# Altium PCB GEM_AFE_128.PcbDoc (part 13 of 18)
Units mm, origin at the board's own origin, x right, y up, seen from the top; angles counter-clockwise.
Board outline 112 x 81.5 mm, 8 copper layers (Top Layer, L1, L2, L3, L4, L5, L6, Bottom Layer), stack 1.52 mm thick; 1880 components, 1258 nets, 6287 pads, 2369 vias.
Unrouted connection lines stored in the file: 4.
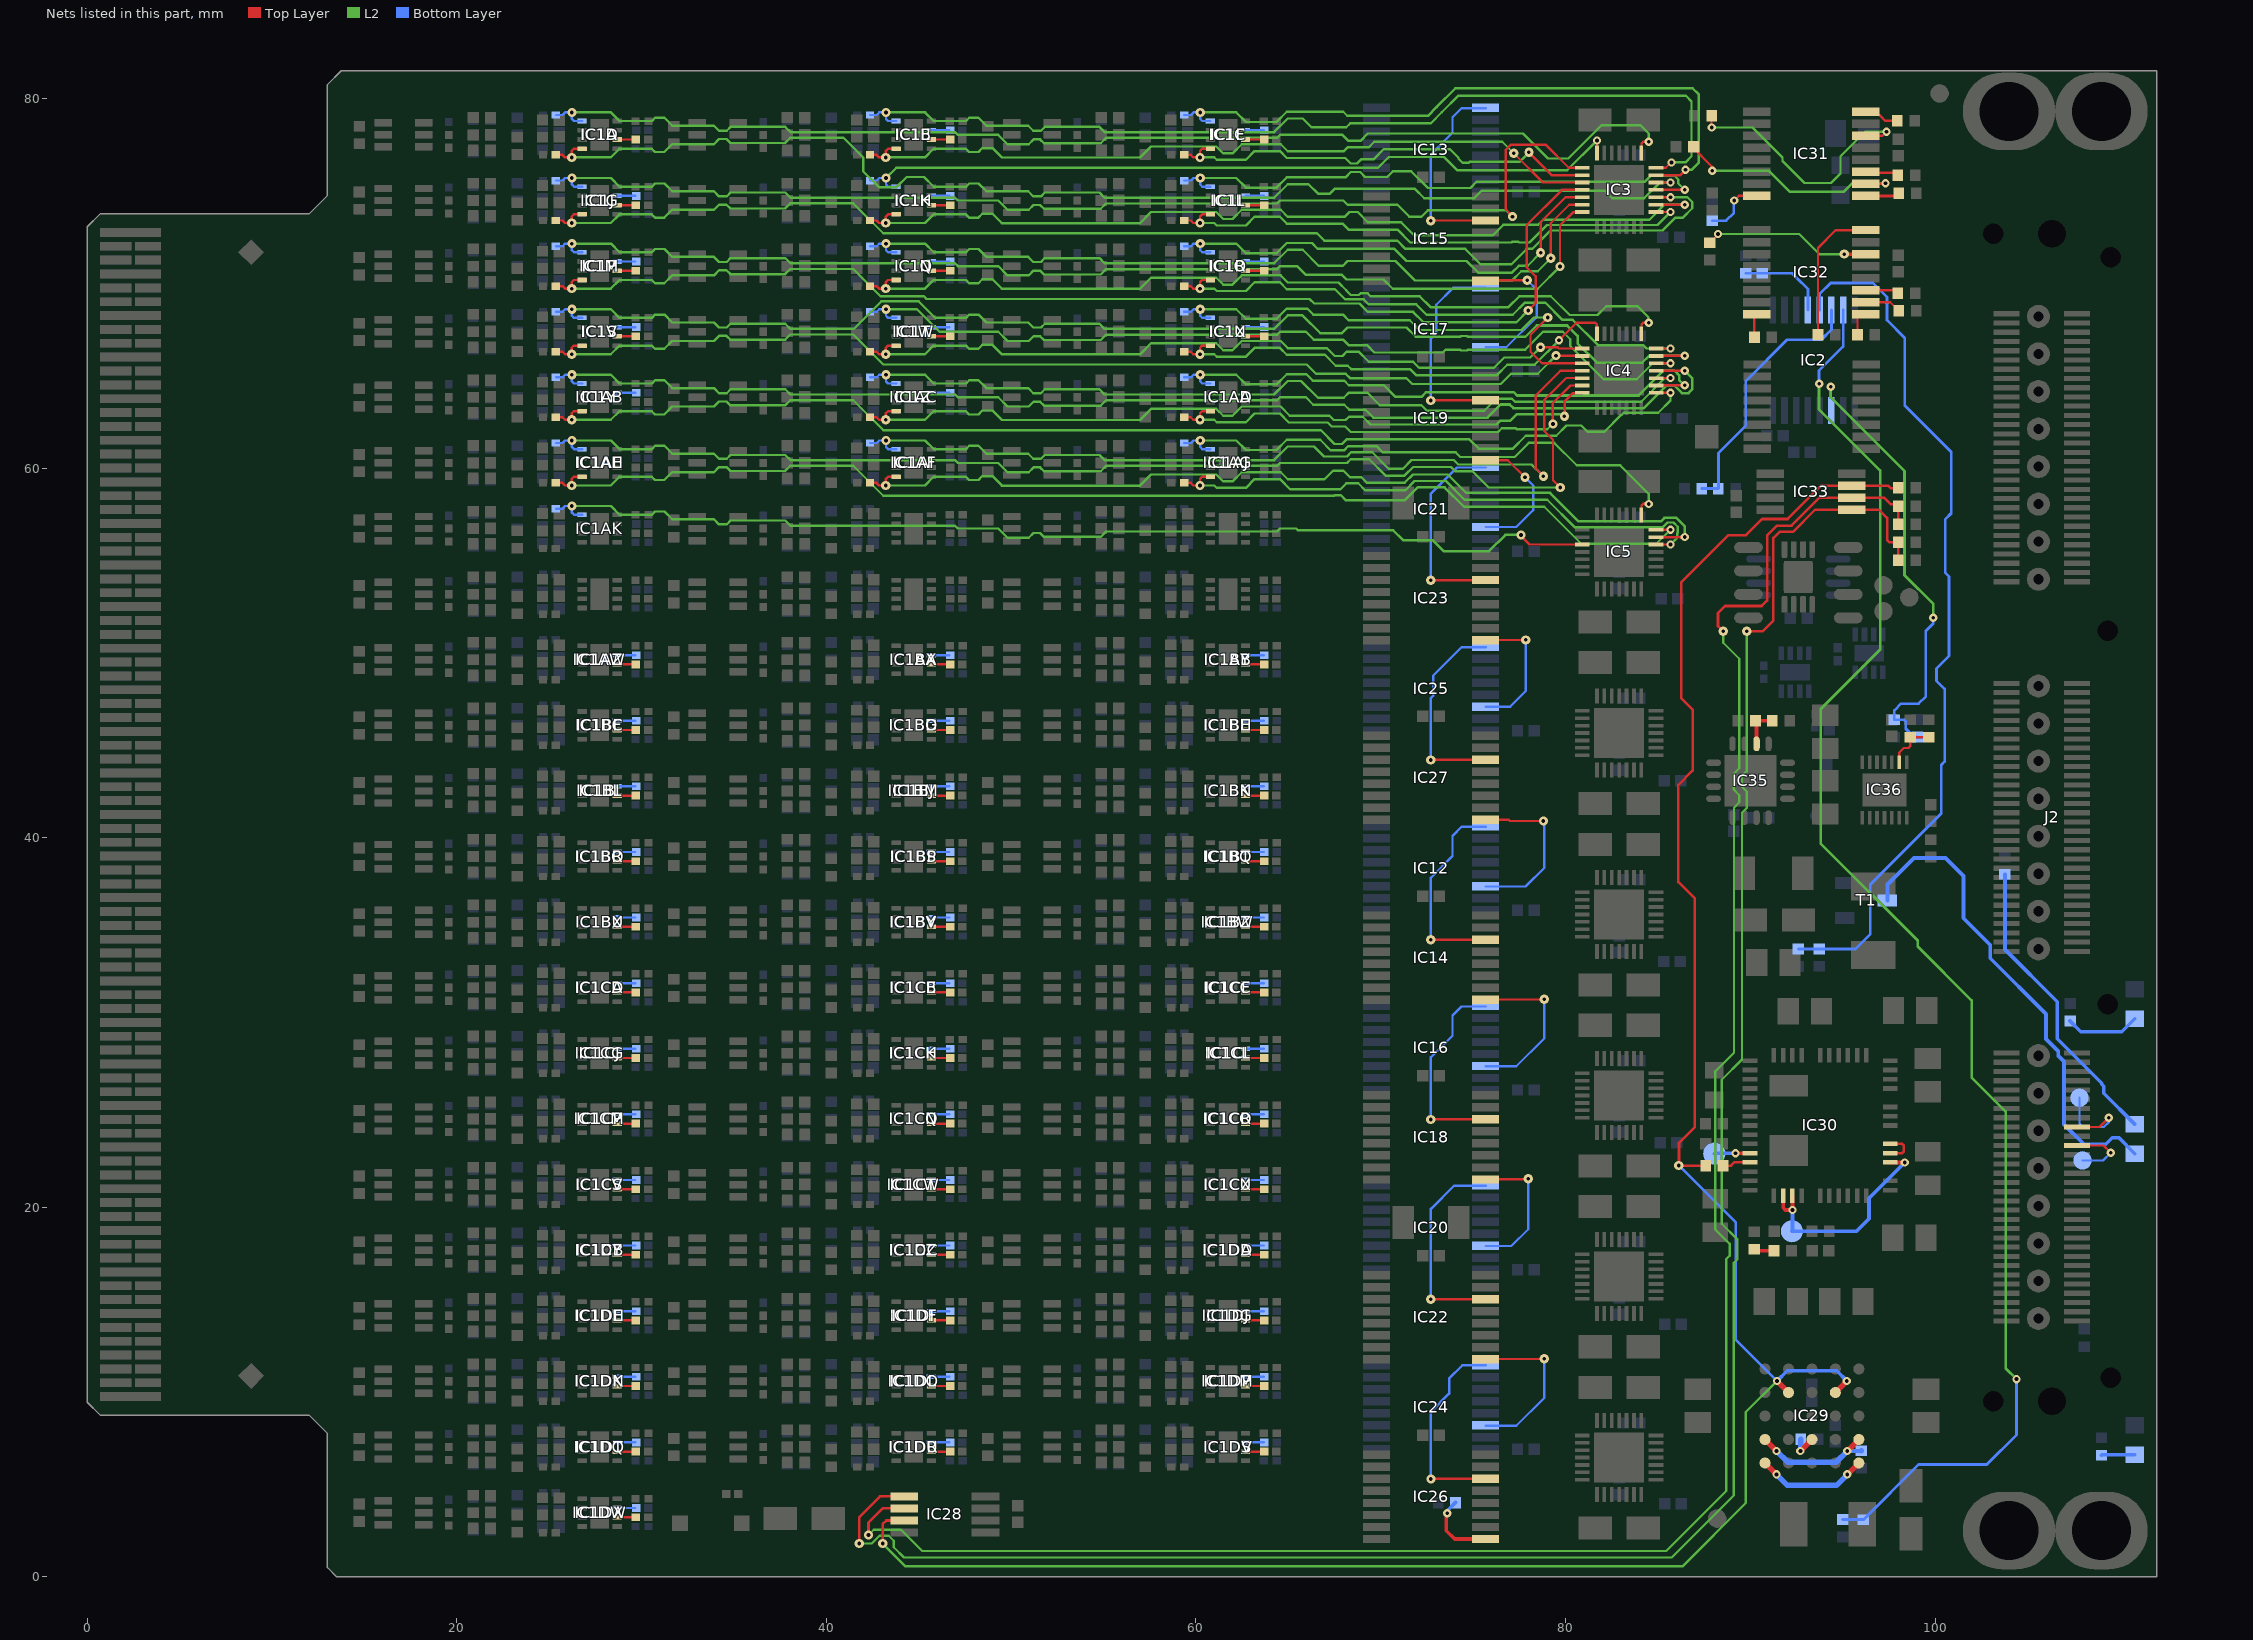
[diagram p19: the nets of this part, all layers, seen from the top]

## Via types
v1: diameter 0.5, hole 0.2, Top Layer to Bottom Layer, tented both sides, 1849 vias
v2: diameter 0.45, hole 0.2, Top Layer to Bottom Layer, tented both sides, 506 vias
v3: diameter 0.45, hole 0.2, Top Layer to Bottom Layer, 14 vias

## Nets (pads, with @x,y where several pads share a name; then routed paths per layer and width w, separated by ;. In a path a pad name is that pad's centre, name@x,y a point inside that pad or via, vN(x,y) a via of type N, cw(c..) or ccw(c..) an arc to the next point about the centre after c; other vN are vias at no path point) (continued)
NetIC1AW_6: IC1AW.6 R6AW.1 | length 1
  Bottom Layer w0.127: IC1AW.6@28.686,49.875 R6AW.1@29.664,49.875
NetIC1AX_6: IC1AX.6 R6AX.1 | length 1
  Bottom Layer w0.127: IC1AX.6@45.686,49.875 R6AX.1@46.664,49.875
NetIC1AY_6: IC1AY.6 R6AY.1 | length 1
  Bottom Layer w0.127: IC1AY.6@62.686,49.875 R6AY.1@63.664,49.875
NetIC1AZ_6: IC1AZ.6 R6AZ.1 | length 1
  Top Layer w0.127: IC1AZ.6@28.675,49.375 R6AZ.1@29.653,49.375
NetIC1B_6: IC1B.6 R6B.1 | length 1
  Bottom Layer w0.127: IC1B.6@45.686,78.275 R6B.1@46.664,78.275
NetIC1BA_6: IC1BA.6 R6BA.1 | length 1
  Top Layer w0.127: IC1BA.6@45.675,49.375 R6BA.1@46.653,49.375
NetIC1BB_6: IC1BB.6 R6BB.1 | length 1
  Top Layer w0.127: IC1BB.6@62.675,49.375 R6BB.1@63.653,49.375
NetIC1BC_6: IC1BC.6 R6BC.1 | length 1
  Bottom Layer w0.127: IC1BC.6@28.686,46.325 R6BC.1@29.664,46.325
NetIC1BD_6: IC1BD.6 R6BD.1 | length 1
  Bottom Layer w0.127: IC1BD.6@45.686,46.325 R6BD.1@46.664,46.325
NetIC1BE_6: IC1BE.6 R6BE.1 | length 1
  Bottom Layer w0.127: IC1BE.6@62.686,46.325 R6BE.1@63.664,46.325
NetIC1BF_6: IC1BF.6 R6BF.1 | length 1
  Top Layer w0.127: IC1BF.6@28.675,45.825 R6BF.1@29.653,45.825
NetIC1BG_6: IC1BG.6 R6BG.1 | length 1
  Top Layer w0.127: IC1BG.6@45.675,45.825 R6BG.1@46.653,45.825
NetIC1BH_6: IC1BH.6 R6BH.1 | length 1
  Top Layer w0.127: IC1BH.6@62.675,45.825 R6BH.1@63.653,45.825
NetIC1BI_6: IC1BI.6 R6BI.1 | length 1
  Bottom Layer w0.127: IC1BI.6@28.686,42.775 R6BI.1@29.664,42.775
NetIC1BJ_6: IC1BJ.6 R6BJ.1 | length 1
  Bottom Layer w0.127: IC1BJ.6@45.686,42.775 R6BJ.1@46.664,42.775
NetIC1BK_6: IC1BK.6 R6BK.1 | length 1
  Bottom Layer w0.127: IC1BK.6@62.686,42.775 R6BK.1@63.664,42.775
NetIC1BL_6: IC1BL.6 R6BL.1 | length 1
  Top Layer w0.127: IC1BL.6@28.675,42.275 R6BL.1@29.653,42.275
NetIC1BM_6: IC1BM.6 R6BM.1 | length 1
  Top Layer w0.127: IC1BM.6@45.675,42.275 R6BM.1@46.653,42.275
NetIC1BN_6: IC1BN.6 R6BN.1 | length 1
  Top Layer w0.127: IC1BN.6@62.675,42.275 R6BN.1@63.653,42.275
NetIC1BO_6: IC1BO.6 R6BO.1 | length 1
  Bottom Layer w0.127: IC1BO.6@28.686,39.225 R6BO.1@29.664,39.225
NetIC1BP_6: IC1BP.6 R6BP.1 | length 1
  Bottom Layer w0.127: IC1BP.6@45.686,39.225 R6BP.1@46.664,39.225
NetIC1BQ_6: IC1BQ.6 R6BQ.1 | length 1
  Bottom Layer w0.127: IC1BQ.6@62.686,39.225 R6BQ.1@63.664,39.225
NetIC1BR_6: IC1BR.6 R6BR.1 | length 1
  Top Layer w0.127: IC1BR.6@28.675,38.725 R6BR.1@29.653,38.725
NetIC1BS_6: IC1BS.6 R6BS.1 | length 1
  Top Layer w0.127: IC1BS.6@45.675,38.725 R6BS.1@46.653,38.725
NetIC1BT_6: IC1BT.6 R6BT.1 | length 1
  Top Layer w0.127: IC1BT.6@62.675,38.725 R6BT.1@63.653,38.725
NetIC1BU_6: IC1BU.6 R6BU.1 | length 1
  Bottom Layer w0.127: IC1BU.6@28.686,35.675 R6BU.1@29.664,35.675
NetIC1BV_6: IC1BV.6 R6BV.1 | length 1
  Bottom Layer w0.127: IC1BV.6@45.686,35.675 R6BV.1@46.664,35.675
NetIC1BW_6: IC1BW.6 R6BW.1 | length 1
  Bottom Layer w0.127: IC1BW.6@62.686,35.675 R6BW.1@63.664,35.675
NetIC1BX_6: IC1BX.6 R6BX.1 | length 1
  Top Layer w0.127: IC1BX.6@28.675,35.175 R6BX.1@29.653,35.175
NetIC1BY_6: IC1BY.6 R6BY.1 | length 1
  Top Layer w0.127: IC1BY.6@45.675,35.175 R6BY.1@46.653,35.175
NetIC1BZ_6: IC1BZ.6 R6BZ.1 | length 1
  Top Layer w0.127: IC1BZ.6@62.675,35.175 R6BZ.1@63.653,35.175
NetIC1C_6: IC1C.6 R6C.1 | length 1
  Bottom Layer w0.127: IC1C.6@62.686,78.275 R6C.1@63.664,78.275
NetIC1CA_6: IC1CA.6 R6CA.1 | length 1
  Bottom Layer w0.127: IC1CA.6@28.686,32.125 R6CA.1@29.664,32.125
NetIC1CB_6: IC1CB.6 R6CB.1 | length 1
  Bottom Layer w0.127: IC1CB.6@45.686,32.125 R6CB.1@46.664,32.125
NetIC1CC_6: IC1CC.6 R6CC.1 | length 1
  Bottom Layer w0.127: IC1CC.6@62.686,32.125 R6CC.1@63.664,32.125
NetIC1CD_6: IC1CD.6 R6CD.1 | length 1
  Top Layer w0.127: IC1CD.6@28.675,31.625 R6CD.1@29.653,31.625
NetIC1CE_6: IC1CE.6 R6CE.1 | length 1
  Top Layer w0.127: IC1CE.6@45.675,31.625 R6CE.1@46.653,31.625
NetIC1CF_6: IC1CF.6 R6CF.1 | length 1
  Top Layer w0.127: IC1CF.6@62.675,31.625 R6CF.1@63.653,31.625
NetIC1CG_6: IC1CG.6 R6CG.1 | length 1
  Bottom Layer w0.127: IC1CG.6@28.686,28.575 R6CG.1@29.664,28.575
NetIC1CH_6: IC1CH.6 R6CH.1 | length 1
  Bottom Layer w0.127: IC1CH.6@45.686,28.575 R6CH.1@46.664,28.575
NetIC1CI_6: IC1CI.6 R6CI.1 | length 1
  Bottom Layer w0.127: IC1CI.6@62.686,28.575 R6CI.1@63.664,28.575
NetIC1CJ_6: IC1CJ.6 R6CJ.1 | length 1
  Top Layer w0.127: IC1CJ.6@28.675,28.075 R6CJ.1@29.653,28.075
NetIC1CK_6: IC1CK.6 R6CK.1 | length 1
  Top Layer w0.127: IC1CK.6@45.675,28.075 R6CK.1@46.653,28.075
NetIC1CL_6: IC1CL.6 R6CL.1 | length 1
  Top Layer w0.127: IC1CL.6@62.675,28.075 R6CL.1@63.653,28.075
NetIC1CM_6: IC1CM.6 R6CM.1 | length 1
  Bottom Layer w0.127: IC1CM.6@28.686,25.025 R6CM.1@29.664,25.025
NetIC1CN_6: IC1CN.6 R6CN.1 | length 1
  Bottom Layer w0.127: IC1CN.6@45.686,25.025 R6CN.1@46.664,25.025
NetIC1CO_6: IC1CO.6 R6CO.1 | length 1
  Bottom Layer w0.127: IC1CO.6@62.686,25.025 R6CO.1@63.664,25.025
NetIC1CP_6: IC1CP.6 R6CP.1 | length 1
  Top Layer w0.127: IC1CP.6@28.675,24.525 R6CP.1@29.653,24.525
NetIC1CQ_6: IC1CQ.6 R6CQ.1 | length 1
  Top Layer w0.127: IC1CQ.6@45.675,24.525 R6CQ.1@46.653,24.525
NetIC1CR_6: IC1CR.6 R6CR.1 | length 1
  Top Layer w0.127: IC1CR.6@62.675,24.525 R6CR.1@63.653,24.525
NetIC1CS_6: IC1CS.6 R6CS.1 | length 1
  Bottom Layer w0.127: IC1CS.6@28.686,21.475 R6CS.1@29.664,21.475
NetIC1CT_6: IC1CT.6 R6CT.1 | length 1
  Bottom Layer w0.127: IC1CT.6@45.686,21.475 R6CT.1@46.664,21.475
NetIC1CU_6: IC1CU.6 R6CU.1 | length 1
  Bottom Layer w0.127: IC1CU.6@62.686,21.475 R6CU.1@63.664,21.475
NetIC1CV_6: IC1CV.6 R6CV.1 | length 1
  Top Layer w0.127: IC1CV.6@28.675,20.975 R6CV.1@29.653,20.975
NetIC1CW_6: IC1CW.6 R6CW.1 | length 1
  Top Layer w0.127: IC1CW.6@45.675,20.975 R6CW.1@46.653,20.975
NetIC1CX_6: IC1CX.6 R6CX.1 | length 1
  Top Layer w0.127: IC1CX.6@62.675,20.975 R6CX.1@63.653,20.975
NetIC1CY_6: IC1CY.6 R6CY.1 | length 1
  Bottom Layer w0.127: IC1CY.6@28.686,17.925 R6CY.1@29.664,17.925
NetIC1CZ_6: IC1CZ.6 R6CZ.1 | length 1
  Bottom Layer w0.127: IC1CZ.6@45.686,17.925 R6CZ.1@46.664,17.925
NetIC1D_6: IC1D.6 R6D.1 | length 1
  Top Layer w0.127: IC1D.6@28.675,77.775 R6D.1@29.653,77.775
NetIC1DA_6: IC1DA.6 R6DA.1 | length 1
  Bottom Layer w0.127: IC1DA.6@62.686,17.925 R6DA.1@63.664,17.925
NetIC1DB_6: IC1DB.6 R6DB.1 | length 1
  Top Layer w0.127: IC1DB.6@28.675,17.425 R6DB.1@29.653,17.425
NetIC1DC_6: IC1DC.6 R6DC.1 | length 1
  Top Layer w0.127: IC1DC.6@45.675,17.425 R6DC.1@46.653,17.425
NetIC1DD_6: IC1DD.6 R6DD.1 | length 1
  Top Layer w0.127: IC1DD.6@62.675,17.425 R6DD.1@63.653,17.425
NetIC1DE_6: IC1DE.6 R6DE.1 | length 1
  Bottom Layer w0.127: IC1DE.6@28.686,14.375 R6DE.1@29.664,14.375
NetIC1DF_6: IC1DF.6 R6DF.1 | length 1
  Bottom Layer w0.127: IC1DF.6@45.686,14.375 R6DF.1@46.664,14.375
NetIC1DG_6: IC1DG.6 R6DG.1 | length 1
  Bottom Layer w0.127: IC1DG.6@62.686,14.375 R6DG.1@63.664,14.375
NetIC1DH_6: IC1DH.6 R6DH.1 | length 1
  Top Layer w0.127: IC1DH.6@28.675,13.875 R6DH.1@29.653,13.875
NetIC1DI_6: IC1DI.6 R6DI.1 | length 1
  Top Layer w0.127: IC1DI.6@45.675,13.875 R6DI.1@46.653,13.875
NetIC1DJ_6: IC1DJ.6 R6DJ.1 | length 1
  Top Layer w0.127: IC1DJ.6@62.675,13.875 R6DJ.1@63.653,13.875
NetIC1DK_6: IC1DK.6 R6DK.1 | length 1
  Bottom Layer w0.127: IC1DK.6@28.686,10.825 R6DK.1@29.664,10.825
NetIC1DL_6: IC1DL.6 R6DL.1 | length 1
  Bottom Layer w0.127: IC1DL.6@45.686,10.825 R6DL.1@46.664,10.825
NetIC1DM_6: IC1DM.6 R6DM.1 | length 1
  Bottom Layer w0.127: IC1DM.6@62.686,10.825 R6DM.1@63.664,10.825
NetIC1DN_6: IC1DN.6 R6DN.1 | length 1
  Top Layer w0.127: IC1DN.6@28.675,10.325 R6DN.1@29.653,10.325
NetIC1DO_6: IC1DO.6 R6DO.1 | length 1
  Top Layer w0.127: IC1DO.6@45.675,10.325 R6DO.1@46.653,10.325
NetIC1DP_6: IC1DP.6 R6DP.1 | length 1
  Top Layer w0.127: IC1DP.6@62.675,10.325 R6DP.1@63.653,10.325
NetIC1DQ_6: IC1DQ.6 R6DQ.1 | length 1
  Bottom Layer w0.127: IC1DQ.6@28.686,7.275 R6DQ.1@29.664,7.275
NetIC1DR_6: IC1DR.6 R6DR.1 | length 1
  Bottom Layer w0.127: IC1DR.6@45.686,7.275 R6DR.1@46.664,7.275
NetIC1DS_6: IC1DS.6 R6DS.1 | length 1
  Bottom Layer w0.127: IC1DS.6@62.686,7.275 R6DS.1@63.664,7.275
NetIC1DT_6: IC1DT.6 R6DT.1 | length 1
  Top Layer w0.127: IC1DT.6@28.675,6.775 R6DT.1@29.653,6.775
NetIC1DU_6: IC1DU.6 R6DU.1 | length 1
  Top Layer w0.127: IC1DU.6@45.675,6.775 R6DU.1@46.653,6.775
NetIC1DV_6: IC1DV.6 R6DV.1 | length 1
  Top Layer w0.127: IC1DV.6@62.675,6.775 R6DV.1@63.653,6.775
NetIC1DW_6: IC1DW.6 R6DW.1 | length 1
  Bottom Layer w0.127: IC1DW.6@28.686,3.725 R6DW.1@29.664,3.725
NetIC1DX_6: IC1DX.6 R6DX.1 | length 1
  Top Layer w0.127: IC1DX.6@28.675,3.225 R6DX.1@29.653,3.225
NetIC1E_6: IC1E.6 R6E.1 | length 1
  Top Layer w0.127: IC1E.6@45.675,77.775 R6E.1@46.653,77.775
NetIC1F_6: IC1F.6 R6F.1 | length 1
  Top Layer w0.127: IC1F.6@62.675,77.775 R6F.1@63.653,77.775
NetIC1G_6: IC1G.6 R6G.1 | length 1
  Bottom Layer w0.127: IC1G.6@28.686,74.725 R6G.1@29.664,74.725
NetIC1H_6: IC1H.6 R6H.1 | length 1
  Bottom Layer w0.127: IC1H.6@45.686,74.725 R6H.1@46.664,74.725
NetIC1I_6: IC1I.6 R6I.1 | length 1
  Bottom Layer w0.127: IC1I.6@62.686,74.725 R6I.1@63.664,74.725
NetIC1J_6: IC1J.6 R6J.1 | length 1
  Top Layer w0.127: IC1J.6@28.675,74.225 R6J.1@29.653,74.225
NetIC1K_6: IC1K.6 R6K.1 | length 1
  Top Layer w0.127: IC1K.6@45.675,74.225 R6K.1@46.653,74.225
NetIC1L_6: IC1L.6 R6L.1 | length 1
  Top Layer w0.127: IC1L.6@62.675,74.225 R6L.1@63.653,74.225
NetIC1M_6: IC1M.6 R6M.1 | length 1
  Bottom Layer w0.127: IC1M.6@28.686,71.175 R6M.1@29.664,71.175
NetIC1N_6: IC1N.6 R6N.1 | length 1
  Bottom Layer w0.127: IC1N.6@45.686,71.175 R6N.1@46.664,71.175
NetIC1O_6: IC1O.6 R6O.1 | length 1
  Bottom Layer w0.127: IC1O.6@62.686,71.175 R6O.1@63.664,71.175
NetIC1P_6: IC1P.6 R6P.1 | length 1
  Top Layer w0.127: IC1P.6@28.675,70.675 R6P.1@29.653,70.675
NetIC1Q_6: IC1Q.6 R6Q.1 | length 1
  Top Layer w0.127: IC1Q.6@45.675,70.675 R6Q.1@46.653,70.675
NetIC1R_6: IC1R.6 R6R.1 | length 1
  Top Layer w0.127: IC1R.6@62.675,70.675 R6R.1@63.653,70.675
NetIC1S_6: IC1S.6 R6S.1 | length 1
  Bottom Layer w0.127: IC1S.6@28.686,67.625 R6S.1@29.664,67.625
NetIC1T_6: IC1T.6 R6T.1 | length 1
  Bottom Layer w0.127: IC1T.6@45.686,67.625 R6T.1@46.664,67.625
NetIC1U_6: IC1U.6 R6U.1 | length 1
  Bottom Layer w0.127: IC1U.6@62.686,67.625 R6U.1@63.664,67.625
NetIC1V_6: IC1V.6 R6V.1 | length 1
  Top Layer w0.127: IC1V.6@28.675,67.125 R6V.1@29.653,67.125
NetIC1W_6: IC1W.6 R6W.1 | length 1
  Top Layer w0.127: IC1W.6@45.675,67.125 R6W.1@46.653,67.125
NetIC1X_6: IC1X.6 R6X.1 | length 1
  Top Layer w0.127: IC1X.6@62.675,67.125 R6X.1@63.653,67.125
NetIC1Y_6: IC1Y.6 R6Y.1 | length 1
  Bottom Layer w0.127: IC1Y.6@28.686,64.075 R6Y.1@29.664,64.075
NetIC1Z_6: IC1Z.6 R6Z.1 | length 1
  Bottom Layer w0.127: IC1Z.6@45.686,64.075 R6Z.1@46.664,64.075
NetIC2_4: IC2.4 R50.1 R55.2 | length 4.9
  Bottom Layer w0.15: R55.2@89.75,70.541 R50.1@90.65,70.541 92.248,70.541 92.248,70.534 92.484,70.298 92.502,70.298 93.116,69.684 IC2.4@93.116,68.557
NetIC2_5: IC2.5 R46.1 R51.2 | length 47.6
  Bottom Layer w0.15: R51.2@92.598,33.97 92.605,33.977 R46.1@93.724,33.977 95.689,33.977 96.491,34.779 96.491,37.476 100.326,41.311 100.326,43.937 100.514,44.125 100.514,48.035 100.071,48.478 100.071,49.145 100.754,49.827 100.754,54.125 100.55,54.329 100.55,57.232 100.873,57.555 100.873,60.857 98.354,63.376 98.354,67.04 97.394,68 97.394,69.258 96.643,70.01 94.347,70.01 93.751,69.413 IC2.5@93.751,68.557
NetIC2_6: IC2.6 R47.1 R52.2 | length 14.2
  Bottom Layer w0.15: R47.1@87.373,58.888 R52.2@88.269,58.888 88.269,60.819 89.756,62.306 89.756,64.71 91.984,66.939 93.834,66.939 94.386,67.491 IC2.6@94.386,68.557
NetIC2_7: IC2.7 R48.1 R53.2 | length 79.8
  L2 w0.15: v2(93.721,64.568) 93.721,63.167 97.024,59.864 97.024,50.169 93.802,46.947 93.802,39.688 99.055,34.435 99.055,34.113 101.975,31.194 101.975,27.029 103.814,25.19 103.814,11.286 v2(104.4,10.7)
  Bottom Layer w0.15: v2(93.721,64.568) 93.721,65.27 95.021,66.571 IC2.7@95.021,68.557 ; R48.1@94.99,3.1 96.102,3.1 R53.2@96.115,3.087 99.103,6.075 102.791,6.075 104.4,7.684 v2(104.4,10.7)
NetIC2_11: IC2.11 R49.1 R54.2 | length 24.2
  L2 w0.15: v2(94.355,64.396) 94.355,63.812 98.339,59.828 98.339,54.198 99.9,52.637 v2(99.9,51.9)
  Bottom Layer w0.15: IC2.11@94.355,63.812 v2(94.355,64.396) ; R54.2@99.024,45.45 98.849,45.45 98.41,45.889 98.41,46.274 98.306,46.377 R49.1@97.79,46.377 97.79,46.88 98.16,47.25 99.1,47.25 99.495,47.645 99.495,51.195 99.9,51.6 v2(99.9,51.9)
NetIC12_9: IC12.9 IC14.14 | length 11.1
  Top Layer w0.127: v1(72.711,34.472) 72.72,34.482 IC14.14@75.673,34.482
  Bottom Layer w0.127: v1@72.711,34.467 72.711,37.833 73.882,39.003 73.882,40.092 74.375,40.585 IC12.9@75.675,40.585
NetIC12_14: IC12.14 IC27.9 | length 9.3
  Top Layer w0.127: IC27.9@75.683,40.97 76.93,40.97 77,40.9 v1(78.8,40.9)
  Bottom Layer w0.127: IC12.14@75.673,37.353 77.833,37.353 78.843,38.362 78.843,40.857 v1(78.8,40.9)
NetIC13_9: IC13.9 IC15.14 | length 11.1
  Top Layer w0.127: v1(72.711,73.382) 72.72,73.391 IC15.14@75.673,73.391
  Bottom Layer w0.127: v1@72.711,73.352 72.711,76.97 73.882,78.14 73.882,78.978 74.375,79.471 IC13.9@75.675,79.471
NetIC14_9: IC14.9 IC16.14 | length 9.1
  Top Layer w0.127: IC14.9@75.683,31.242 v1@78.829,31.242
  Bottom Layer w0.127: IC16.14@75.673,27.625 77.334,27.625 78.843,29.134 v1(78.843,31.255)
NetIC15_9: IC15.9 IC17.14 | length 7.9
  Top Layer w0.127: IC15.9@75.683,70.151 77.914,70.151 v1(77.922,70.159)
  Bottom Layer w0.127: IC17.14@75.673,66.534 76.788,66.534 78.449,68.195 78.449,69.631 v1(77.922,70.159)
NetIC16_9: IC16.9 IC18.14 | length 11.1
  Top Layer w0.127: v1(72.711,24.745) 72.72,24.755 IC18.14@75.673,24.755
  Bottom Layer w0.127: v1(72.711,24.745) 72.711,28.111 73.882,29.282 73.882,30.37 74.375,30.864 IC16.9@75.675,30.864
NetIC17_9: IC17.9 IC19.14 | length 11.3
  Top Layer w0.127: v1(72.711,63.654) 72.72,63.664 IC19.14@75.673,63.664
  Bottom Layer w0.127: v1@72.711,63.631 72.711,66.997 73.004,67.29 73.004,68.838 73.915,69.749 IC17.9@75.675,69.749
NetIC18_9: IC18.9 IC20.14 | length 7.7
  Top Layer w0.127: IC18.9@75.683,21.515 77.954,21.515 v1(77.976,21.537)
  Bottom Layer w0.127: IC20.14@75.673,17.898 77.064,17.898 77.976,18.81 v1(77.976,21.537)
NetIC19_9: IC19.9 IC21.14 | length 7.4
  Top Layer w0.127: IC19.9@75.683,60.424 76.876,60.424 v1(77.8,59.5)
  Bottom Layer w0.127: IC21.14@75.675,56.807 77.334,56.807 78.25,57.723 78.25,59.05 v1(77.8,59.5)
NetIC20_9: IC20.9 IC22.14 | length 11.3
  Top Layer w0.127: v1(72.711,15.018) 72.72,15.027 IC22.14@75.673,15.027
  Bottom Layer w0.127: v1(72.711,15.018) 72.711,19.911 73.971,21.171 IC20.9@75.675,21.171
NetIC21_9: IC21.9 IC23.14 | length 11.2
  Top Layer w0.127: v1(72.711,53.927) 72.72,53.936 IC23.14@75.673,53.936
  Bottom Layer w0.127: v1(72.711,53.927) 72.711,58.621 74.118,60.028 IC21.9@75.675,60.028
NetIC22_9: IC22.9 IC24.14 | length 9.1
  Top Layer w0.127: IC22.9@75.683,11.788 v1@78.829,11.788
  Bottom Layer w0.127: IC24.14@75.673,8.171 77.334,8.171 78.843,9.679 v1(78.843,11.801)
NetIC23_9: IC23.9 IC25.14 | length 7.5
  Top Layer w0.127: IC23.9@75.683,50.697 77.847,50.697 v1(77.85,50.7)
  Bottom Layer w0.127: IC25.14@75.673,47.08 76.998,47.08 77.85,47.932 v1(77.85,50.7)
NetIC24_9: IC24.9 IC26.14 | length 11.1
  Top Layer w0.127: v1(72.713,5.291) 72.722,5.3 IC26.14@75.675,5.3
  Bottom Layer w0.127: v1(72.713,5.291) 72.713,8.927 73.7,9.914 73.7,10.733 74.417,11.45 IC24.9@75.675,11.45
NetIC25_9: IC25.9 IC27.14 | length 11.1
  Top Layer w0.127: v1@72.72,44.209 IC27.14@75.673,44.209
  Bottom Layer w0.127: v1@72.711,44.188 v1(72.711,44.2) 72.711,47.554 72.844,47.686 72.844,48.775 74.375,50.306 IC25.9@75.675,50.306
NetIC26_9: IC26.9 R3.1 | length 4.1
  Top Layer w0.2: v2(73.601,3.445) 73.626,3.445 73.699,3.372 73.55,3.223 73.55,2.5 74,2.05 IC26.9@75.675,2.05
  Bottom Layer w0.2: v2(73.601,3.445) 73.601,3.578 R3.1@74.041,4.018
NetIC28_1: IC28.1 IC33.1 R9.1 R11.1 | length 117.8
  Top Layer w0.14: v1(41.781,1.808) 41.781,3.231 42.9,4.35 IC28.1@44.21,4.35 ; v1(89.8,51.162) 90.658,51.162 91.248,51.752 91.248,56.215 91.579,56.545 92.309,56.545 93.506,57.742 IC33.1@95.483,57.742 96.958,57.742 97.4,57.3 97.4,56.107 97.528,55.979 R11.1@98.005,55.979 R9.1@98.005,54.998
  L2 w0.127: v1(41.781,1.808) 42.458,1.808 42.872,2.222 43.378,2.222 43.65,1.95 43.65,1.6 44.2,1.05 45.65,1.05 85.75,1.05 89.1,4.4 89.1,17 89.3,17.2 89.3,18.25 88.448,19.102 88.448,26.898 89.55,28 89.55,41.35 89.8,41.6 89.8,42.5 89.55,42.75 89.55,43.35 89.8,43.6 v1(89.8,51.162)
NetIC28_2: IC28.2 IC33.2 R10.1 R12.1 | length 116
  Top Layer w0.14: v1(42.282,2.265) 42.282,2.932 43.05,3.7 IC28.2@44.21,3.7 ; v1(88.532,51.162) 88.25,51.444 88.25,52.15 88.634,52.534 90.613,52.534 90.911,52.832 90.911,56.354 91.439,56.883 92.233,56.883 93.742,58.392 IC33.2@95.483,58.392 97.236,58.392 97.587,58.041 97.905,58.041 R10.1@98.005,57.941 R12.1@98.005,56.96 R12.1@97.991,56.946
  L2 w0.127: v1(42.282,2.265) 42.567,2.55 44.042,2.55 45.191,1.401 85.451,1.401 88.7,4.65 88.7,17.2 88.877,17.377 88.877,18.023 88.1,18.8 88.1,27.35 89.111,28.361 89.111,41.62 89.402,41.911 89.402,42.298 89.1,42.6 89.1,43.45 89.402,43.752 89.402,49.675 88.532,50.545 v1(88.532,51.162) v1@88.532,51.166
NetIC28_3: IC28.3 IC29.B2 IC29.D2 IC33.3 R7.1 R23.1 | length 126.4
  Top Layer w0.14: v1(43.05,1.8) 43.05,2.85 43.25,3.05 IC28.3@44.21,3.05 ; v1(86.127,22.262) v1@86.13,22.265 ; R23.1@87.58,22.25 86.145,22.25 v1@86.13,22.265 ; R7.1@98.005,58.923 97.99,58.908 97.587,58.908 97.452,59.042 IC33.3@95.483,59.042 93.818,59.042 92.016,57.24 90.64,57.24 89.764,56.364 88.81,56.364 86.25,53.804 86.25,47.55 86.875,46.925 86.875,43.625 86.1,42.85 86.1,37.6 87,36.7 87,24.35 86.136,23.486 86.136,22.271 v1@86.13,22.265
  Top Layer w0.3: v2(91.437,10.598) IC29.D2@92.06,9.975 ; IC29.B2@94.6,9.975 v2(95.222,10.598)
  L2 w0.14: v1(43.05,1.8) 44.28,0.57 86.32,0.57 89.75,4 89.75,8.91 v2(91.437,10.598)
  Bottom Layer w0.14: v1(86.127,22.262) 89.2,19.189 89.2,12.835 v2(91.437,10.598)
  Bottom Layer w0.2: v2(91.437,10.598) 91.99,11.15 94.67,11.15 v2(95.222,10.598)
NetIC29_A4: IC29.A4 IC29.E4 R15.2 | length 6.9
  Top Layer w0.3: IC29.E4@90.79,7.435 v2(91.412,6.812) ; v2(95.247,6.812) IC29.A4@95.87,7.435
  Bottom Layer w0.2: v2(95.247,6.812) R15.2@95.992,6.812
  Bottom Layer w0.3: v2(91.412,6.812) 92.025,6.2 94.635,6.2 v2(95.247,6.812) ; R15.2@95.992,6.812 R15.2@96,6.82
NetIC29_A5: IC29.A5 IC29.E5 | length 6.1
  Top Layer w0.3: IC29.E5@90.79,6.165 v2(91.412,5.542) ; v2(95.247,5.542) IC29.A5@95.87,6.165
  Bottom Layer w0.3: v2(91.412,5.542) 92.005,4.95 94.655,4.95 v2(95.247,5.542)
NetIC29_C4: IC29.C4 R25.2 | length 1.5
  Top Layer w0.3: v2(92.707,6.812) IC29.C4@93.33,7.435
  Bottom Layer w0.3: v2(92.707,6.812) 92.719,6.824 92.719,7.439 R25.2@92.73,7.45
NetIC30_4: IC30.4 IC30.43 IC30.44 TP3.1 | length 12.2
  Top Layer w0.2: IC30.43@91.775,20.625 91.775,19.975 91.9,19.85 v2(92.275,19.85) IC30.44@92.275,20.625 ; IC30.4@97.575,22.425 v2(98.35,22.425)
  Bottom Layer w0.2: v2(92.275,19.85) 92.275,18.725 TP3.1@92.25,18.7 95.746,18.7 96.417,19.372 96.417,20.492 v2(98.35,22.425)
NetIC30_5: IC30.5 IC30.6 | length 1.9
  Top Layer w0.14: IC30.5@97.575,22.925 98.218,22.925 98.3,23.007 98.3,23.343 98.218,23.425 IC30.6@97.575,23.425
NetIC30_37: IC30.37 TP2.1 | length 1.9
  Top Layer w0.2: v2(89.2,22.925) IC30.37@89.975,22.925
  Bottom Layer w0.2: TP2.1@88.05,22.9 88.075,22.925 v2(89.2,22.925)
NetIC30_38: IC30.38 R23.2 | length 1.5
  Top Layer w0.14: R23.2@88.52,22.25 88.95,22.25 89.125,22.425 IC30.38@89.975,22.425
NetIC31_8: IC31.8 R31.1 | length 3.8
  Top Layer w0.14: v2(89.124,74.478) 89.371,74.725 IC31.8@90.35,74.725 90.769,74.725 IC31.8@90.814,74.68
  Bottom Layer w0.14: R31.1@87.946,73.384 88.684,73.384 89.109,73.809 89.109,74.463 v2(89.124,74.478)